# Altium PCB DRS4-PCB.PcbDoc (part 2 of 15)
Units mil, origin at the board's own origin, x right, y up, seen from the top; angles counter-clockwise.
Board outline 12350 x 7411.06 mil, 12 copper layers (Top Layer, Ground Layer 2, Signal Layer 3, Signal Layer 4, Ground Layer 5, Power Layer 6, Ground Layer 7, Ground Layer 8, Power Layer 9, Power Layer 10, Ground Layer 11, Bottom Layer), stack 61.6 mil thick; 1264 components, 1069 nets, 3958 pads, 2329 vias.
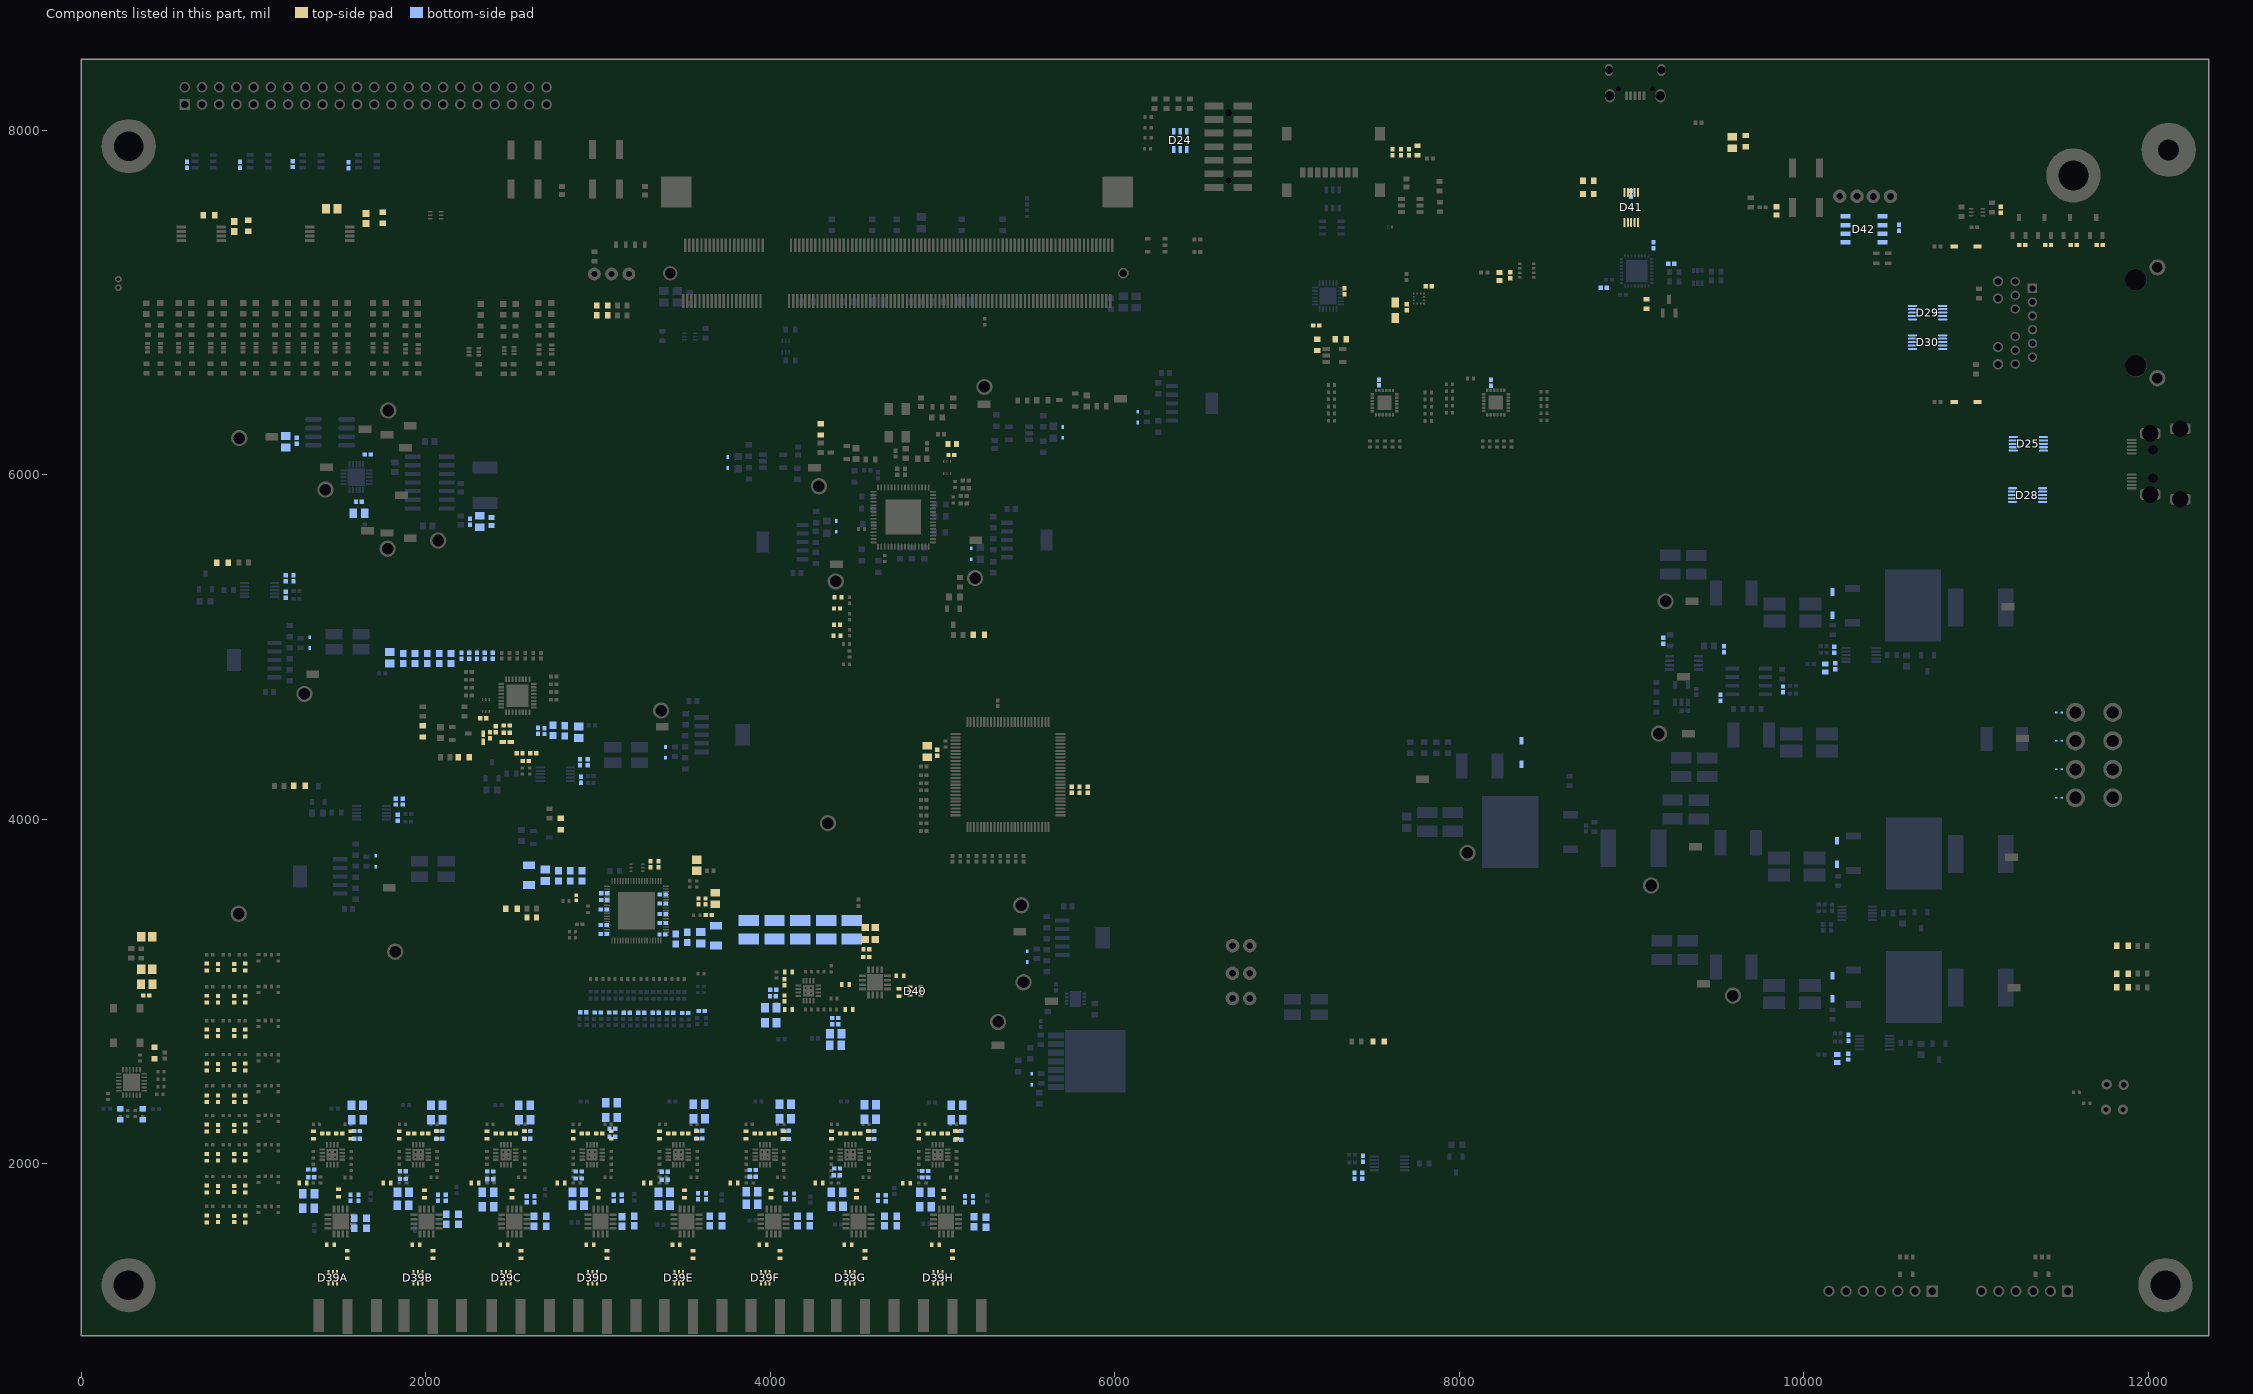
[diagram p12: the components of this part, seen from the top]

## Components (designator, comment, footprint, x,y, rotation, side; value= is the part's Value field where it differs from the comment) (continued)
C109 "Cap_Taiyo_Yuden_TMK105B7104KV-FR_100nF" Cap_Taiyo_Yuden_TMK105B7104KV-FR_100nF 11717.93,7333.97 r0 top
C110 "Cap_Taiyo_Yuden_TMK105B7104KV-FR_100nF" Cap_Taiyo_Yuden_TMK105B7104KV-FR_100nF 11567.53,7333.97 r0 top
C111 "Cap_Taiyo_Yuden_TMK105B7104KV-FR_100nF" Cap_Taiyo_Yuden_TMK105B7104KV-FR_100nF 11417.14,7333.97 r0 top
C112 "Cap_Taiyo_Yuden_TMK105B7104KV-FR_100nF" Cap_Taiyo_Yuden_TMK105B7104KV-FR_100nF 11267.93,7333.97 r0 top
C113 "Cap_Taiyo_Yuden_TMK105B7104KV-FR_100nF" Cap_Taiyo_Yuden_TMK105B7104KV-FR_100nF 11142.16,7539.12 r270 top
C114 "Cap_Murata_ GRM21BC71E106ME11L_10uF" "Cap_Murata_ GRM21BC71E106ME11L_10uF" 4911.65,4393.39 r90 top
C115 "Cap_Taiyo_Yuden_TMK105B7104KV-FR_100nF" Cap_Taiyo_Yuden_TMK105B7104KV-FR_100nF 4969.14,4386.38 r270 top
C116 "Cap_Taiyo_Yuden_TMK105B7104KV-FR_100nF" Cap_Taiyo_Yuden_TMK105B7104KV-FR_100nF 5842.87,4171.81 r270 top
C117 "Cap_Taiyo_Yuden_TMK105B7104KV-FR_100nF" Cap_Taiyo_Yuden_TMK105B7104KV-FR_100nF 5795.24,4171.81 r270 top
C118 "Cap_Taiyo_Yuden_TMK105B7104KV-FR_100nF" Cap_Taiyo_Yuden_TMK105B7104KV-FR_100nF 5749.96,4171.81 r270 top
C119 "Cap_Taiyo_Yuden_TMK105B7104KV-FR_100nF" Cap_Taiyo_Yuden_TMK105B7104KV-FR_100nF 1836.08,4007.96 r90 bottom
C120 "5600PF 50V X7R 0402" FP-C0402-BB-MFG 2871.67,3544.02 r90 top value="5,600 pF"
C121 "Cap_Taiyo_Yuden_TMK105B7104KV-FR_100nF" Cap_Taiyo_Yuden_TMK105B7104KV-FR_100nF 1865.1,4102.64 r270 bottom
C122 "Cap_Taiyo_Yuden_TMK105B7104KV-FR_100nF" Cap_Taiyo_Yuden_TMK105B7104KV-FR_100nF 1825.2,4102.74 r270 bottom
C123 "Cap_Murata_GRT21BR61E226ME13L_22uF" Cap_Murata_GRT21BR61E226ME13L_22uF 3573.83,3733.22 r270 top
C124 "Cap_Murata_GCJ188R71E105KA01J_1uF" Cap_Murata_GCJ188R71E105KA01J_1uF 2496.93,3481.25 r0 top
C125 "4.7nF 10V 0603" CAPC0603(1608)100_L 2614.07,3428.97 r0 top value=4.7nF
C126 "Cap_Taiyo_Yuden_TMK105B7104KV-FR_100nF" Cap_Taiyo_Yuden_TMK105B7104KV-FR_100nF 7441.05,2029.83 r270 bottom
C127 "Cap_Murata_ GRM21BC71E106ME11L_10uF" "Cap_Murata_ GRM21BC71E106ME11L_10uF" 3680.51,3539.76 r90 top
C128 "Cap_Taiyo_Yuden_TMK105B7104KV-FR_100nF" Cap_Taiyo_Yuden_TMK105B7104KV-FR_100nF 3583.21,3522.32 r270 top
C129 "Cap_Taiyo_Yuden_TMK105B7104KV-FR_100nF" Cap_Taiyo_Yuden_TMK105B7104KV-FR_100nF 3622.8,3522.32 r270 top
C130 "Cap_Murata_GJM1555C1H200GB01D_20pF" Cap_Murata_GJM1555C1H200GB01D_20pF 3642,3443 r180 top
C131 "Cap_Taiyo_Yuden_TMK105B7104KV-FR_100nF" Cap_Taiyo_Yuden_TMK105B7104KV-FR_100nF 7435.93,1930.76 r90 bottom
C132 "Cap_Taiyo_Yuden_TMK105B7104KV-FR_100nF" Cap_Taiyo_Yuden_TMK105B7104KV-FR_100nF 7390.64,1930.92 r90 bottom
C133 "Cap_Taiyo_Yuden_TMK105B7104KV-FR_100nF" Cap_Taiyo_Yuden_TMK105B7104KV-FR_100nF 3349.76,3737.52 r270 top
C134 "Cap_Taiyo_Yuden_TMK105B7104KV-FR_100nF" Cap_Taiyo_Yuden_TMK105B7104KV-FR_100nF 3304.48,3737.52 r270 top
C135 "Cap_Murata_GRM31CR61A107ME05L_100uF" Cap_Murata_GRM31CR61A107ME05L_100uF 2599.25,3675.72 r270 bottom
C136 "Cap_Kemet_C0603C101J5RACTU_100pF" Cap_Kemet_C0603C101J5RACTU_100pF 2838.03,3671.12 r90 bottom
C137 "Cap_Kemet_C0603C101J5RACTU_100pF" Cap_Kemet_C0603C101J5RACTU_100pF 2906.93,3671.12 r90 bottom
C138 "Cap_Kemet_C0603C101J5RACTU_100pF" Cap_Kemet_C0603C101J5RACTU_100pF 2769.13,3671.12 r90 bottom
C139 "Cap_Taiyo_Yuden_TMK105B7104KV-FR_100nF" Cap_Taiyo_Yuden_TMK105B7104KV-FR_100nF 3034.61,3570.38 r180 bottom
C140 "Cap_Taiyo_Yuden_TMK105B7104KV-FR_100nF" Cap_Taiyo_Yuden_TMK105B7104KV-FR_100nF 3033.84,3476.14 r180 bottom
C141 "Cap_Taiyo_Yuden_TMK105B7104KV-FR_100nF" Cap_Taiyo_Yuden_TMK105B7104KV-FR_100nF 3032.53,3386.06 r180 bottom
C142 "Cap_Taiyo_Yuden_TMK105B7104KV-FR_100nF" Cap_Taiyo_Yuden_TMK105B7104KV-FR_100nF 3032.21,3332.93 r180 bottom
C143 "Cap_Taiyo_Yuden_TMK105B7104KV-FR_100nF" Cap_Taiyo_Yuden_TMK105B7104KV-FR_100nF 3034.61,3531.31 r180 bottom
C144 "Cap_Murata_ GRM21BC71E106ME11L_10uF" "Cap_Murata_ GRM21BC71E106ME11L_10uF" 2692.13,3673.96 r90 bottom
C145 "Cap_Kemet_T521B226M025ATE100_22uF" Cap_Kemet_T521B226M025ATE100_22uF 4473.16,3357.79 r270 bottom
C146 "Cap_Kemet_T521B226M025ATE100_22uF" Cap_Kemet_T521B226M025ATE100_22uF 4323.39,3357.79 r270 bottom
C147 "Cap_Kemet_T521B226M025ATE100_22uF" Cap_Kemet_T521B226M025ATE100_22uF 4173.61,3357.79 r270 bottom
C148 "Cap_Kemet_T521B226M025ATE100_22uF" Cap_Kemet_T521B226M025ATE100_22uF 4023.84,3357.79 r270 bottom
C149 "Cap_Kemet_T521B226M025ATE100_22uF" Cap_Kemet_T521B226M025ATE100_22uF 3874.07,3357.79 r270 bottom
C150 "Cap_Murata_ GRM21BC71E106ME11L_10uF" "Cap_Murata_ GRM21BC71E106ME11L_10uF" 3595.91,3311.49 r270 bottom
C151 "Cap_Taiyo_Yuden_TMK105B7104KV-FR_100nF" Cap_Taiyo_Yuden_TMK105B7104KV-FR_100nF 3373.82,3397.76 r0 bottom
C152 "Cap_Taiyo_Yuden_TMK105B7104KV-FR_100nF" Cap_Taiyo_Yuden_TMK105B7104KV-FR_100nF 3373.51,3330.34 r0 bottom
C153 "Cap_Taiyo_Yuden_TMK105B7104KV-FR_100nF" Cap_Taiyo_Yuden_TMK105B7104KV-FR_100nF 3374.29,3563.45 r0 bottom
C154 "Cap_Taiyo_Yuden_TMK105B7104KV-FR_100nF" Cap_Taiyo_Yuden_TMK105B7104KV-FR_100nF 3374.29,3509.94 r0 bottom
C155 "Cap_Taiyo_Yuden_TMK105B7104KV-FR_100nF" Cap_Taiyo_Yuden_TMK105B7104KV-FR_100nF 3373.82,3450.43 r0 bottom
C156 "Cap_Murata_GRM31CR61A107ME05L_100uF" Cap_Murata_GRM31CR61A107ME05L_100uF 3684.76,3324.35 r90 bottom
C157 "Cap_Kemet_C0603C101J5RACTU_100pF" Cap_Kemet_C0603C101J5RACTU_100pF 3516.99,3314.02 r270 bottom
C158 "Cap_Kemet_C0603C101J5RACTU_100pF" Cap_Kemet_C0603C101J5RACTU_100pF 3450.75,3304.17 r270 bottom
C159 "Cap_Murata_GJM1555C1H200GB01D_20pF" Cap_Murata_GJM1555C1H200GB01D_20pF 2623.83,4382.6 r0 top
C160 "Cap_Murata_GJM1555C1H200GB01D_20pF" Cap_Murata_GJM1555C1H200GB01D_20pF 2543.61,4382.6 r180 top
C161 "Cap_Murata_GJM1555C1H200GB01D_20pF" Cap_Murata_GJM1555C1H200GB01D_20pF 2580.5,4338.59 r0 top
C162 "Cap_Taiyo_Yuden_TMK105B7104KV-FR_100nF" Cap_Taiyo_Yuden_TMK105B7104KV-FR_100nF 2469,4502 r0 top
C163 "Cap_Taiyo_Yuden_TMK105B7104KV-FR_100nF" Cap_Taiyo_Yuden_TMK105B7104KV-FR_100nF 2331.73,4586.39 r180 top
C164 "10uF 10V TANT 0603" VISH-TR8-M_L 2469,4448 r180 top
C165 "Cap_Taiyo_Yuden_TMK105B7104KV-FR_100nF" Cap_Taiyo_Yuden_TMK105B7104KV-FR_100nF 2469,4543.32 r0 top
C166 "Cap_Taiyo_Yuden_TMK105B7104KV-FR_100nF" Cap_Taiyo_Yuden_TMK105B7104KV-FR_100nF 2406,4523 r270 top
C167 "10uF 10V TANT 0603" VISH-TR8-M_L 2333,4473 r270 top
C168 "Cap_Taiyo_Yuden_TMK105B7104KV-FR_100nF" Cap_Taiyo_Yuden_TMK105B7104KV-FR_100nF 2372,4488 r270 top
C170 "Cap_Taiyo_Yuden_TMK105B7104KV-FR_100nF" Cap_Taiyo_Yuden_TMK105B7104KV-FR_100nF 2900.1,4230.15 r90 bottom
C171 "Cap_Taiyo_Yuden_TMK105B7104KV-FR_100nF" Cap_Taiyo_Yuden_TMK105B7104KV-FR_100nF 1186.59,5303.17 r90 bottom
C172 "Cap_Taiyo_Yuden_TMK105B7104KV-FR_100nF" Cap_Taiyo_Yuden_TMK105B7104KV-FR_100nF 2939.53,4329.94 r270 bottom
C173 "Cap_Taiyo_Yuden_TMK105B7104KV-FR_100nF" Cap_Taiyo_Yuden_TMK105B7104KV-FR_100nF 2894.24,4329.94 r270 bottom
C174 "Cap_Taiyo_Yuden_TMK105B7104KV-FR_100nF" Cap_Taiyo_Yuden_TMK105B7104KV-FR_100nF 1231.88,5397.84 r270 bottom
C175 "Cap_Taiyo_Yuden_TMK105B7104KV-FR_100nF" Cap_Taiyo_Yuden_TMK105B7104KV-FR_100nF 1186.59,5398.42 r270 bottom
C176 "Cap_Murata_ GRM21BC71E106ME11L_10uF" "Cap_Murata_ GRM21BC71E106ME11L_10uF" 2886.29,4505.27 r270 bottom
C177 "Cap_Taiyo_Yuden_TMK105B7104KV-FR_100nF" Cap_Taiyo_Yuden_TMK105B7104KV-FR_100nF 2688,4512 r270 bottom
C178 "Cap_Kemet_C0603C102J5RACAUTO_1nF" Cap_Kemet_C0603C102J5RACAUTO_1nF 2738.07,4516.03 r90 bottom
C179 "Cap_Taiyo_Yuden_TMK105B7104KV-FR_100nF" Cap_Taiyo_Yuden_TMK105B7104KV-FR_100nF 2651.2,4513 r270 bottom
C180 "Cap_Kemet_C0603C102J5RACAUTO_1nF" Cap_Kemet_C0603C102J5RACAUTO_1nF 2805.72,4512.94 r90 bottom
C181 "Cap_Kemet_C0603C102J5RACAUTO_1nF" Cap_Kemet_C0603C102J5RACAUTO_1nF 1868.32,4932.79 r270 bottom
C182 "Cap_Kemet_C0603C102J5RACAUTO_1nF" Cap_Kemet_C0603C102J5RACAUTO_1nF 2146.08,4932.79 r270 bottom
C183 "Cap_Kemet_C0603C102J5RACAUTO_1nF" Cap_Kemet_C0603C102J5RACAUTO_1nF 2077.17,4932.79 r270 bottom
C184 "Cap_Murata_ GRM21BC71E106ME11L_10uF" "Cap_Murata_ GRM21BC71E106ME11L_10uF" 1791.54,4936.85 r90 bottom
C185 "Cap_Taiyo_Yuden_TMK105B7104KV-FR_100nF" Cap_Taiyo_Yuden_TMK105B7104KV-FR_100nF 2387.85,4949.14 r90 bottom
C186 "Cap_Taiyo_Yuden_TMK105B7104KV-FR_100nF" Cap_Taiyo_Yuden_TMK105B7104KV-FR_100nF 2341.78,4949.14 r90 bottom
C187 "Cap_Taiyo_Yuden_TMK105B7104KV-FR_100nF" Cap_Taiyo_Yuden_TMK105B7104KV-FR_100nF 2296.5,4949.14 r90 bottom
C188 "Cap_Taiyo_Yuden_TMK105B7104KV-FR_100nF" Cap_Taiyo_Yuden_TMK105B7104KV-FR_100nF 2251.21,4949.14 r90 bottom
C189 "Cap_Taiyo_Yuden_TMK105B7104KV-FR_100nF" Cap_Taiyo_Yuden_TMK105B7104KV-FR_100nF 2205.93,4949.14 r90 bottom
C190 "Cap_Kemet_C0603C102J5RACAUTO_1nF" Cap_Kemet_C0603C102J5RACAUTO_1nF 2008.26,4932.79 r270 bottom
C191 "Cap_Kemet_C0603C102J5RACAUTO_1nF" Cap_Kemet_C0603C102J5RACAUTO_1nF 1937.23,4932.79 r270 bottom
C192A "Cap_Taiyo_Yuden_TMK105B7104KV-FR_100nF" Cap_Taiyo_Yuden_TMK105B7104KV-FR_100nF 1609.27,1802.05 r270 bottom (schematic designator C192)
C192B "Cap_Taiyo_Yuden_TMK105B7104KV-FR_100nF" Cap_Taiyo_Yuden_TMK105B7104KV-FR_100nF 2115.44,1802.4 r270 bottom (schematic designator C192)
C192C "Cap_Taiyo_Yuden_TMK105B7104KV-FR_100nF" Cap_Taiyo_Yuden_TMK105B7104KV-FR_100nF 2631.1,1793.58 r270 bottom (schematic designator C192)
C192D "Cap_Taiyo_Yuden_TMK105B7104KV-FR_100nF" Cap_Taiyo_Yuden_TMK105B7104KV-FR_100nF 3090.25,1802.2 r270 bottom (schematic designator C192)
C192E "Cap_Taiyo_Yuden_TMK105B7104KV-FR_100nF" Cap_Taiyo_Yuden_TMK105B7104KV-FR_100nF 3578.9,1810.24 r270 bottom (schematic designator C192)
C192F "Cap_Taiyo_Yuden_TMK105B7104KV-FR_100nF" Cap_Taiyo_Yuden_TMK105B7104KV-FR_100nF 4088.78,1809.76 r270 bottom (schematic designator C192)
C192G "Cap_Taiyo_Yuden_TMK105B7104KV-FR_100nF" Cap_Taiyo_Yuden_TMK105B7104KV-FR_100nF 4623.88,1800.86 r270 bottom (schematic designator C192)
C192H "Cap_Taiyo_Yuden_TMK105B7104KV-FR_100nF" Cap_Taiyo_Yuden_TMK105B7104KV-FR_100nF 5175.83,1793.54 r270 bottom (schematic designator C192)
C193A "Cap_Wurth_Electronics_885012206075_470nF" Cap_Wurth_Electronics_885012206075_470nF 1584.01,1654.41 r270 bottom (schematic designator C193)
C193B "Cap_Wurth_Electronics_885012206075_470nF" Cap_Wurth_Electronics_885012206075_470nF 2188.94,1677.95 r270 bottom (schematic designator C193)
C193C "Cap_Wurth_Electronics_885012206075_470nF" Cap_Wurth_Electronics_885012206075_470nF 2627.2,1666.65 r270 bottom (schematic designator C193)
C193D "Cap_Wurth_Electronics_885012206075_470nF" Cap_Wurth_Electronics_885012206075_470nF 3209.06,1667.13 r270 bottom (schematic designator C193)
C193E "Cap_Wurth_Electronics_885012206075_470nF" Cap_Wurth_Electronics_885012206075_470nF 3719.57,1667.13 r270 bottom (schematic designator C193)
C193F "Cap_Wurth_Electronics_885012206075_470nF" Cap_Wurth_Electronics_885012206075_470nF 4156.96,1667.13 r270 bottom (schematic designator C193)
C193G "Cap_Wurth_Electronics_885012206075_470nF" Cap_Wurth_Electronics_885012206075_470nF 4662.72,1667.13 r270 bottom (schematic designator C193)
C193H "Cap_Wurth_Electronics_885012206075_470nF" Cap_Wurth_Electronics_885012206075_470nF 5181.8,1663.69 r270 bottom (schematic designator C193)
C194A "Cap_Taiyo_Yuden_TMK105B7104KV-FR_100nF" Cap_Taiyo_Yuden_TMK105B7104KV-FR_100nF 1561.86,1802.05 r270 bottom (schematic designator C194)
C194B "Cap_Taiyo_Yuden_TMK105B7104KV-FR_100nF" Cap_Taiyo_Yuden_TMK105B7104KV-FR_100nF 2069.52,1802.4 r270 bottom (schematic designator C194)
C194C "Cap_Taiyo_Yuden_TMK105B7104KV-FR_100nF" Cap_Taiyo_Yuden_TMK105B7104KV-FR_100nF 2585.83,1793.58 r270 bottom (schematic designator C194)
C194D "Cap_Taiyo_Yuden_TMK105B7104KV-FR_100nF" Cap_Taiyo_Yuden_TMK105B7104KV-FR_100nF 3136.88,1802.2 r270 bottom (schematic designator C194)
C194E "Cap_Taiyo_Yuden_TMK105B7104KV-FR_100nF" Cap_Taiyo_Yuden_TMK105B7104KV-FR_100nF 3626.31,1809.94 r270 bottom (schematic designator C194)
C194F "Cap_Taiyo_Yuden_TMK105B7104KV-FR_100nF" Cap_Taiyo_Yuden_TMK105B7104KV-FR_100nF 4136.19,1809.76 r270 bottom (schematic designator C194)
C194G "Cap_Taiyo_Yuden_TMK105B7104KV-FR_100nF" Cap_Taiyo_Yuden_TMK105B7104KV-FR_100nF 4669.17,1800.73 r270 bottom (schematic designator C194)
C194H "Cap_Taiyo_Yuden_TMK105B7104KV-FR_100nF" Cap_Taiyo_Yuden_TMK105B7104KV-FR_100nF 5129.72,1793.54 r270 bottom (schematic designator C194)
C195A "Cap_Wurth_Electronics_885012206075_470nF" Cap_Wurth_Electronics_885012206075_470nF 1655.04,1654.41 r270 bottom (schematic designator C195)
C195B "Cap_Wurth_Electronics_885012206075_470nF" Cap_Wurth_Electronics_885012206075_470nF 2118.28,1676.84 r270 bottom (schematic designator C195)
C195C "Cap_Wurth_Electronics_885012206075_470nF" Cap_Wurth_Electronics_885012206075_470nF 2698.23,1666.65 r270 bottom (schematic designator C195)
C195D "Cap_Wurth_Electronics_885012206075_470nF" Cap_Wurth_Electronics_885012206075_470nF 3138.02,1664.62 r270 bottom (schematic designator C195)
C195E "Cap_Wurth_Electronics_885012206075_470nF" Cap_Wurth_Electronics_885012206075_470nF 3648.53,1667.13 r270 bottom (schematic designator C195)
C195F "Cap_Wurth_Electronics_885012206075_470nF" Cap_Wurth_Electronics_885012206075_470nF 4227.99,1667.13 r270 bottom (schematic designator C195)
C195G "Cap_Wurth_Electronics_885012206075_470nF" Cap_Wurth_Electronics_885012206075_470nF 4733.75,1667.13 r270 bottom (schematic designator C195)
C195H "Cap_Wurth_Electronics_885012206075_470nF" Cap_Wurth_Electronics_885012206075_470nF 5250.87,1660.63 r270 bottom (schematic designator C195)
C196A "Cap_Taiyo_Yuden_TMK105B7104KV-FR_100nF" Cap_Taiyo_Yuden_TMK105B7104KV-FR_100nF 1600.08,2190.63 r0 bottom (schematic designator C196)
C196B "Cap_Taiyo_Yuden_TMK105B7104KV-FR_100nF" Cap_Taiyo_Yuden_TMK105B7104KV-FR_100nF 2078.3,2190.63 r0 bottom (schematic designator C196)
C196C "Cap_Taiyo_Yuden_TMK105B7104KV-FR_100nF" Cap_Taiyo_Yuden_TMK105B7104KV-FR_100nF 2589.02,2145.35 r0 bottom (schematic designator C196)
C196D "Cap_Taiyo_Yuden_TMK105B7104KV-FR_100nF" Cap_Taiyo_Yuden_TMK105B7104KV-FR_100nF 3083.27,2202.72 r0 bottom (schematic designator C196)
C196E "Cap_Taiyo_Yuden_TMK105B7104KV-FR_100nF" Cap_Taiyo_Yuden_TMK105B7104KV-FR_100nF 3586.46,2190.98 r0 bottom (schematic designator C196)
C196F "Cap_Taiyo_Yuden_TMK105B7104KV-FR_100nF" Cap_Taiyo_Yuden_TMK105B7104KV-FR_100nF 4089.57,2143.98 r0 bottom (schematic designator C196)
C196G "Cap_Taiyo_Yuden_TMK105B7104KV-FR_100nF" Cap_Taiyo_Yuden_TMK105B7104KV-FR_100nF 4585.98,2143.7 r0 bottom (schematic designator C196)
C196H "Cap_Taiyo_Yuden_TMK105B7104KV-FR_100nF" Cap_Taiyo_Yuden_TMK105B7104KV-FR_100nF 5090.2,2138.98 r0 bottom (schematic designator C196)
C197A "Cap_Taiyo_Yuden_TMK105B7104KV-FR_100nF" Cap_Taiyo_Yuden_TMK105B7104KV-FR_100nF 1335.16,1921.33 r180 bottom (schematic designator C197)
C197B "Cap_Taiyo_Yuden_TMK105B7104KV-FR_100nF" Cap_Taiyo_Yuden_TMK105B7104KV-FR_100nF 1866.96,1955.83 r180 bottom (schematic designator C197)
C197C "Cap_Taiyo_Yuden_TMK105B7104KV-FR_100nF" Cap_Taiyo_Yuden_TMK105B7104KV-FR_100nF 2373.62,1955.51 r180 bottom (schematic designator C197)
C197D "Cap_Taiyo_Yuden_TMK105B7104KV-FR_100nF" Cap_Taiyo_Yuden_TMK105B7104KV-FR_100nF 2888.44,1914.85 r180 bottom (schematic designator C197)
C197E "Cap_Taiyo_Yuden_TMK105B7104KV-FR_100nF" Cap_Taiyo_Yuden_TMK105B7104KV-FR_100nF 3386.97,1906.81 r180 bottom (schematic designator C197)
C197F "Cap_Taiyo_Yuden_TMK105B7104KV-FR_100nF" Cap_Taiyo_Yuden_TMK105B7104KV-FR_100nF 3897.37,1963.51 r180 bottom (schematic designator C197)
C197G "Cap_Taiyo_Yuden_TMK105B7104KV-FR_100nF" Cap_Taiyo_Yuden_TMK105B7104KV-FR_100nF 4386.71,1972.04 r180 bottom (schematic designator C197)
C197H "Cap_Taiyo_Yuden_TMK105B7104KV-FR_100nF" Cap_Taiyo_Yuden_TMK105B7104KV-FR_100nF 4899.52,1919.57 r180 bottom (schematic designator C197)
C198A "Cap_Taiyo_Yuden_TMK105B7104KV-FR_100nF" Cap_Taiyo_Yuden_TMK105B7104KV-FR_100nF 1600.08,2145.35 r0 bottom (schematic designator C198)
C198B "Cap_Taiyo_Yuden_TMK105B7104KV-FR_100nF" Cap_Taiyo_Yuden_TMK105B7104KV-FR_100nF 2078.3,2145.35 r0 bottom (schematic designator C198)
C198C "Cap_Taiyo_Yuden_TMK105B7104KV-FR_100nF" Cap_Taiyo_Yuden_TMK105B7104KV-FR_100nF 2589.02,2190.63 r0 bottom (schematic designator C198)
C198D "Cap_Taiyo_Yuden_TMK105B7104KV-FR_100nF" Cap_Taiyo_Yuden_TMK105B7104KV-FR_100nF 3083.27,2156.34 r0 bottom (schematic designator C198)
C198E "Cap_Taiyo_Yuden_TMK105B7104KV-FR_100nF" Cap_Taiyo_Yuden_TMK105B7104KV-FR_100nF 3586.46,2145.71 r0 bottom (schematic designator C198)
C198F "Cap_Taiyo_Yuden_TMK105B7104KV-FR_100nF" Cap_Taiyo_Yuden_TMK105B7104KV-FR_100nF 4089.57,2190.98 r0 bottom (schematic designator C198)
C198G "Cap_Taiyo_Yuden_TMK105B7104KV-FR_100nF" Cap_Taiyo_Yuden_TMK105B7104KV-FR_100nF 4585.98,2189.76 r0 bottom (schematic designator C198)
C198H "Cap_Taiyo_Yuden_TMK105B7104KV-FR_100nF" Cap_Taiyo_Yuden_TMK105B7104KV-FR_100nF 5090.2,2190.28 r0 bottom (schematic designator C198)
C199A "Cap_Taiyo_Yuden_TMK105B7104KV-FR_100nF" Cap_Taiyo_Yuden_TMK105B7104KV-FR_100nF 1334.68,1966.61 r180 bottom (schematic designator C199)
C199B "Cap_Taiyo_Yuden_TMK105B7104KV-FR_100nF" Cap_Taiyo_Yuden_TMK105B7104KV-FR_100nF 1866.96,1910.55 r180 bottom (schematic designator C199)
C199C "Cap_Taiyo_Yuden_TMK105B7104KV-FR_100nF" Cap_Taiyo_Yuden_TMK105B7104KV-FR_100nF 2373.62,1910.12 r180 bottom (schematic designator C199)
C199D "Cap_Taiyo_Yuden_TMK105B7104KV-FR_100nF" Cap_Taiyo_Yuden_TMK105B7104KV-FR_100nF 2887.52,1955.51 r180 bottom (schematic designator C199)
C199E "Cap_Taiyo_Yuden_TMK105B7104KV-FR_100nF" Cap_Taiyo_Yuden_TMK105B7104KV-FR_100nF 3386.97,1953.39 r180 bottom (schematic designator C199)
C199F "Cap_Taiyo_Yuden_TMK105B7104KV-FR_100nF" Cap_Taiyo_Yuden_TMK105B7104KV-FR_100nF 3896.45,1924.71 r180 bottom (schematic designator C199)
C199G "Cap_Taiyo_Yuden_TMK105B7104KV-FR_100nF" Cap_Taiyo_Yuden_TMK105B7104KV-FR_100nF 4386.33,1932.51 r180 bottom (schematic designator C199)
C199H "Cap_Taiyo_Yuden_TMK105B7104KV-FR_100nF" Cap_Taiyo_Yuden_TMK105B7104KV-FR_100nF 4900.01,1957.71 r180 bottom (schematic designator C199)
C200A "Cap_Murata_ GRM21BC71E106ME11L_10uF" "Cap_Murata_ GRM21BC71E106ME11L_10uF" 1602.64,2255.63 r180 bottom (schematic designator C200)
C200B "Cap_Murata_ GRM21BC71E106ME11L_10uF" "Cap_Murata_ GRM21BC71E106ME11L_10uF" 2062.99,2255.63 r180 bottom (schematic designator C200)
C200C "Cap_Murata_ GRM21BC71E106ME11L_10uF" "Cap_Murata_ GRM21BC71E106ME11L_10uF" 2573.27,2255.63 r180 bottom (schematic designator C200)
C200D "Cap_Murata_ GRM21BC71E106ME11L_10uF" "Cap_Murata_ GRM21BC71E106ME11L_10uF" 3077.27,2352.95 r180 bottom (schematic designator C200)
C200E "Cap_Murata_ GRM21BC71E106ME11L_10uF" "Cap_Murata_ GRM21BC71E106ME11L_10uF" 3585.12,2344.37 r180 bottom (schematic designator C200)
C200F "Cap_Murata_ GRM21BC71E106ME11L_10uF" "Cap_Murata_ GRM21BC71E106ME11L_10uF" 4086.81,2344.37 r180 bottom (schematic designator C200)
C200G "Cap_Murata_ GRM21BC71E106ME11L_10uF" "Cap_Murata_ GRM21BC71E106ME11L_10uF" 4580.43,2258.5 r180 bottom (schematic designator C200)
C200H "Cap_Murata_ GRM21BC71E106ME11L_10uF" "Cap_Murata_ GRM21BC71E106ME11L_10uF" 5083.15,2339.88 r180 bottom (schematic designator C200)
C201A "Cap_Murata_ GRM21BC71E106ME11L_10uF" "Cap_Murata_ GRM21BC71E106ME11L_10uF" 1318.19,1741.34 r0 bottom (schematic designator C201)
C201B "Cap_Murata_ GRM21BC71E106ME11L_10uF" "Cap_Murata_ GRM21BC71E106ME11L_10uF" 1866.77,1759.32 r0 bottom (schematic designator C201)
C201C "Cap_Murata_ GRM21BC71E106ME11L_10uF" "Cap_Murata_ GRM21BC71E106ME11L_10uF" 2360.67,1748.82 r0 bottom (schematic designator C201)
C201D "Cap_Murata_ GRM21BC71E106ME11L_10uF" "Cap_Murata_ GRM21BC71E106ME11L_10uF" 2884.76,1757.79 r0 bottom (schematic designator C201)
C201E "Cap_Murata_ GRM21BC71E106ME11L_10uF" "Cap_Murata_ GRM21BC71E106ME11L_10uF" 3383.19,1757.76 r0 bottom (schematic designator C201)
C201F "Cap_Murata_ GRM21BC71E106ME11L_10uF" "Cap_Murata_ GRM21BC71E106ME11L_10uF" 3893.07,1837.36 r0 bottom (schematic designator C201)
C201G "Cap_Murata_ GRM21BC71E106ME11L_10uF" "Cap_Murata_ GRM21BC71E106ME11L_10uF" 4386.26,1834.29 r0 bottom (schematic designator C201)
C201H "Cap_Murata_ GRM21BC71E106ME11L_10uF" "Cap_Murata_ GRM21BC71E106ME11L_10uF" 4900.04,1834.17 r0 bottom (schematic designator C201)
C202A "Cap_Taiyo_Yuden_TMK105B7104KV-FR_100nF" Cap_Taiyo_Yuden_TMK105B7104KV-FR_100nF 1415.55,2175.47 r0 top (schematic designator C202)
C202B "Cap_Taiyo_Yuden_TMK105B7104KV-FR_100nF" Cap_Taiyo_Yuden_TMK105B7104KV-FR_100nF 1913.9,2175.47 r0 top (schematic designator C202)
C202C "Cap_Taiyo_Yuden_TMK105B7104KV-FR_100nF" Cap_Taiyo_Yuden_TMK105B7104KV-FR_100nF 2423.35,2175.47 r0 top (schematic designator C202)
C202D "Cap_Taiyo_Yuden_TMK105B7104KV-FR_100nF" Cap_Taiyo_Yuden_TMK105B7104KV-FR_100nF 3005.16,2175.47 r180 top (schematic designator C202)
C202E "Cap_Taiyo_Yuden_TMK105B7104KV-FR_100nF" Cap_Taiyo_Yuden_TMK105B7104KV-FR_100nF 3424.41,2175.47 r0 top (schematic designator C202)
C202F "Cap_Taiyo_Yuden_TMK105B7104KV-FR_100nF" Cap_Taiyo_Yuden_TMK105B7104KV-FR_100nF 4009.14,2175.47 r180 top (schematic designator C202)
C202G "Cap_Taiyo_Yuden_TMK105B7104KV-FR_100nF" Cap_Taiyo_Yuden_TMK105B7104KV-FR_100nF 4503.94,2175.47 r180 top (schematic designator C202)
C202H "Cap_Taiyo_Yuden_TMK105B7104KV-FR_100nF" Cap_Taiyo_Yuden_TMK105B7104KV-FR_100nF 5013.21,2175.47 r180 top (schematic designator C202)